# KiCad board Power Supply - Entrex DataScope.kicad_pcb

No outline. copper layers: Top, Bottom. Coordinates in mm from the lowest, leftmost part position.

## Placement (name value [footprint] x y rotation side)
C1  C_Polarized  [CP_Radial_D10.0mm_P5.00mm]  287.15 32.39 180 top
C3  C  [CAP non-polarized P25.00mm]  240.16 39.46 90 top
C4  CAP  [CP_Axial_L20.0mm_D10.0mm_P26.00mm_Horizontal]  245.87 31.72 270 top
C5  C_Polarized  [CP_Radial_D10.0mm_P5.00mm]  14.65 37.47 180 top
C6  CAP  [CP_Axial_L10.0mm_D4.5mm_P15.00mm_Horizontal]  39.5 77.47 270 top
C7  C  [CAP non-polarized P25.00mm]  77.6 37.56 90 top
C8  CAP  [CP_Axial_L10.0mm_D4.5mm_P15.00mm_Horizontal]  46.48 27.94 270 top
C9  C_Polarized  [CP_Radial_D10.0mm_P5.00mm]  148.72 47.63 180 top
C10  C_Polarized  [CP_Radial_D18.0mm_P7.50mm]  176.66 59.36 270 top
C11  C  [CAP non-polarized P25.00mm]  154.43 73.75 90 top
C12  CAP  [CP_Axial_L20.0mm_D10.0mm_P26.00mm_Horizontal]  114.76 74.93 0 top
CR1  1N4001  [D_DO-41_SOD81_P12.70mm_Horizontal]  298.58 62.87 270 top
CR2  1N4001  [D_DO-41_SOD81_P12.70mm_Horizontal]  294.77 50.17 90 top
CR3  1N4001  [D_DO-41_SOD81_P12.70mm_Horizontal]  298.58 34.29 90 top
CR4  1N4001  [D_DO-41_SOD81_P12.70mm_Horizontal]  294.77 46.99 270 top
CR5  1N4001  [D_DO-41_SOD81_P12.70mm_Horizontal]  290.96 22.23 180 top
CR6  1N4001  [D_DO-41_SOD81_P12.70mm_Horizontal]  273.18 9.53 180 top
CR7  1N4001  [D_DO-41_SOD81_P12.70mm_Horizontal]  236.35 23.5 270 top
CR8  1N4001  [D_DO-41_SOD81_P12.70mm_Horizontal]  0 34.93 270 top
CR9  1N4001  [D_DO-41_SOD81_P12.70mm_Horizontal]  3.94 22.23 90 top
CR10  1N4001  [D_DO-41_SOD81_P12.70mm_Horizontal]  0 6.35 90 top
CR11  1N4001  [D_DO-41_SOD81_P12.70mm_Horizontal]  3.94 19.05 270 top
CR12  1N5400  [Entrex PSU Power Diode P20.00mm]  14.73 47.31 90 top
CR13  1N5400  [Entrex PSU Power Diode P20.00mm]  22.35 67.31 270 top
CR14  1N5400  [Entrex PSU Power Diode P20.00mm]  14.73 91.12 270 top
CR15  1N5400  [Entrex PSU Power Diode P20.00mm]  22.35 71.12 90 top
CR16  1N4001  [D_DO-41_SOD81_P12.70mm_Horizontal]  7.11 13.34 90 top
CR17  1N4001  [D_DO-41_SOD81_P12.70mm_Horizontal]  28.7 12.7 270 top
CR18  1N4001  [D_DO-41_SOD81_P12.70mm_Horizontal]  161.42 31.75 90 top
CR19  1N4001  [D_DO-41_SOD81_P12.70mm_Horizontal]  157.61 44.45 270 top
CR20  1N4001  [D_DO-41_SOD81_P12.70mm_Horizontal]  161.42 60.33 270 top
CR21  1N4001  [D_DO-41_SOD81_P12.70mm_Horizontal]  157.61 47.63 90 top
CR22  1N4001  [D_DO-41_SOD81_P12.70mm_Horizontal]  193.17 72.39 270 top
CR23  1N4001  [D_DO-41_SOD81_P12.70mm_Horizontal]  196.98 59.69 90 top
CR24  1N4001  [D_DO-41_SOD81_P12.70mm_Horizontal]  193.17 43.82 90 top
CR25  1N4001  [D_DO-41_SOD81_P12.70mm_Horizontal]  196.98 56.52 270 top
CR26  1N4001  [D_DO-41_SOD81_P12.70mm_Horizontal]  134.11 63.5 0 top
CR27  1N4001  [D_DO-41_SOD81_P12.70mm_Horizontal]  161.42 99.06 270 top
CR28  1N4001  [D_DO-41_SOD81_P12.70mm_Horizontal]  111.89 55.25 0 top
CR29  1N4001  [D_DO-41_SOD81_P12.70mm_Horizontal]  108.08 50.8 90 top
E1  Conn_01x01_Pin  [PinHeader_1x01_P1.00mm_Vertical]  296.04 69.85 0 top
E2  Conn_01x01_Pin  [PinHeader_1x01_P1.00mm_Vertical]  297.31 27.31 0 top
E3  Conn_01x01_Pin  [PinHeader_1x01_P1.00mm_Vertical]  296.67 79.38 0 top
E4  Conn_01x01_Pin  [PinHeader_1x01_P1.00mm_Vertical]  296.67 89.54 0 top
E5  Conn_01x01_Pin  [PinHeader_1x01_P1.00mm_Vertical]  2.67 46.36 0 top
E6  Conn_01x01_Pin  [PinHeader_1x01_P1.00mm_Vertical]  13.46 0.9 0 top
E7  Conn_01x01_Pin  [PinHeader_1x01_P1.00mm_Vertical]  14.73 97.79 0 top
E8  Conn_01x01_Pin  [PinHeader_1x01_P1.00mm_Vertical]  23.62 97.79 0 top
E9  Conn_01x01_Pin  [PinHeader_1x01_P1.00mm_Vertical]  151.26 33.02 0 top
E10  Conn_01x01_Pin  [PinHeader_1x01_P1.00mm_Vertical]  167.77 67.95 0 top
E11  Conn_01x01_Pin  [PinHeader_1x01_P1.00mm_Vertical]  193.8 98.43 0 top
E12  Conn_01x01_Pin  [PinHeader_1x01_P1.00mm_Vertical]  185.55 39.37 0 top
F2  Fuse 4A  [Fuseholder_Littelfuse_445_030_series_5x30mm]  3.94 57.39 90 top
F3  Fuse 1A  [Fuseholder_Littelfuse_445_030_series_5x30mm]  202.69 67.05 90 top
J2  Power Port  [MATE-N-LOK_2x04_P4.96mm_Vertical]  103 27.31 0 top
Q1  MPS3638  [TO-18-3]  281.88 13.34 270 top
Q2  PN3569  [TO-18-3]  228.73 53.34 0 top
Q3  PN3569  [TO-18-3]  229.81 43.63 270 top
Q4  PS3638  [TO-18-3]  250.13 43.36 180 top
Q5  2N4918  [TO-126-3_Vertical]  214.76 59.69 0 top
Q6  2N3055  [TO-3]  248.41 79.38 180 top
Q7  PN3569  [TO-18-3]  266.38 35.56 0 top
Q8  PS3638  [TO-18-3]  19.81 12.7 270 top
Q9  PN3569  [TO-18-3]  61.09 17.78 90 top
Q10  PN3569  [TO-18-3]  71.88 18.42 0 top
Q11  PS3638  [TO-18-3]  59 34.47 180 top
Q12  2N4918  [TO-126-3_Vertical]  92.84 57.15 0 top
Q13  2N3055  [TO-3]  72.13 89.27 0 top
Q14  PN3569  [TO-18-3]  38.86 33.02 180 top
Q15  PS3638  [TO-18-3]  152.53 66.04 0 top
Q16  PN3569  [TO-18-3]  182.37 92.08 90 top
Q17  PN3569  [TO-18-3]  174.75 78.11 270 top
Q18  PS3638  [TO-18-3]  142.55 95.43 90 top
Q19  JE520  [TO-126-3_Vertical]  122.05 100.33 0 top
Q20  PN3569  [TO-18-3]  123.95 90.81 270 top
R1  R  [R_Axial_DIN0309_L9.0mm_D3.2mm_P12.70mm_Horizontal]  282.07 19.05 0 top
R2  R  [R_Axial_DIN0411_L9.9mm_D3.6mm_P12.70mm_Horizontal]  274.45 24.77 90 top
R3  R  [R_Axial_DIN0411_L9.9mm_D3.6mm_P12.70mm_Horizontal]  275.72 6.99 90 top
R4  R  [R_Axial_DIN0309_L9.0mm_D3.2mm_P12.70mm_Horizontal]  260.48 4.45 0 top
R5  R  [R_Axial_DIN0309_L9.0mm_D3.2mm_P12.70mm_Horizontal]  268.1 15.24 90 top
R6  R  [R_Axial_DIN0309_L9.0mm_D3.2mm_P12.70mm_Horizontal]  245.87 51.44 90 top
R7  R  [R_Axial_DIN0411_L9.9mm_D3.6mm_P12.70mm_Horizontal]  209.68 49.53 0 top
R8  R  [R_Axial_DIN0411_L9.9mm_D3.6mm_P12.70mm_Horizontal]  209.68 45.72 0 top
R9  R  [R_Axial_DIN0309_L9.0mm_D3.2mm_P12.70mm_Horizontal]  249.68 51.44 90 top
R10  R  [R_Axial_DIN0411_L9.9mm_D3.6mm_P12.70mm_Horizontal]  240.16 19.69 90 top
R11  R  [R_Axial_DIN0411_L9.9mm_D3.6mm_P15.24mm_Horizontal]  255.4 48.9 90 top
R12  R  [R_Axial_DIN0309_L9.0mm_D3.2mm_P12.70mm_Horizontal]  260.48 14.61 90 top
R13  R  [R_Axial_DIN0411_L9.9mm_D3.6mm_P12.70mm_Horizontal]  209.68 41.91 0 top
R14  R  [R_Axial_DIN0309_L9.0mm_D3.2mm_P12.70mm_Horizontal]  260.48 50.8 90 top
R15  R  [R_Axial_DIN0614_L14.3mm_D5.7mm_P20.32mm_Horizontal]  264.92 43.82 90 top
R16  R  [R_Axial_DIN0614_L14.3mm_D5.7mm_P15.24mm_Horizontal]  232.54 10.8 90 top
R17  R  [R_Axial_DIN0309_L9.0mm_D3.2mm_P12.70mm_Horizontal]  228.73 13.34 90 top
R18  R  [R_Axial_DIN0614_L14.3mm_D5.7mm_P15.24mm_Horizontal]  256.67 14.61 90 top
R19  R  [R_Axial_DIN0309_L9.0mm_D3.2mm_P12.70mm_Horizontal]  14.73 14.61 90 top
R20  R  [R_Axial_DIN0614_L14.3mm_D5.7mm_P15.24mm_Horizontal]  10.92 8.25 90 top
R21  R  [R_Axial_DIN0309_L9.0mm_D3.2mm_P12.70mm_Horizontal]  24.89 8.25 90 top
R22  R  [R_Axial_DIN0207_L6.3mm_D2.5mm_P15.24mm_Horizontal]  30.61 19.05 90 top
R23  R  [R_Axial_DIN0309_L9.0mm_D3.2mm_P12.70mm_Horizontal]  32.51 0 90 top
R24  R  [R_Axial_DIN0411_L9.9mm_D3.6mm_P12.70mm_Horizontal]  70.61 49.53 90 top
R25  R  [R_Axial_DIN0411_L9.9mm_D3.6mm_P12.70mm_Horizontal]  64.26 0 90 top
R26  R  [R_Axial_DIN0309_L9.0mm_D3.2mm_P12.70mm_Horizontal]  69.34 0 90 top
R27  R  [R_Axial_DIN0309_L9.0mm_D3.2mm_P12.70mm_Horizontal]  86.49 50.17 90 top
R28  R  [R_Axial_DIN0411_L9.9mm_D3.6mm_P12.70mm_Horizontal]  54.1 10.8 90 top
R29  R  [R_Axial_DIN0414_L11.9mm_D4.5mm_P15.24mm_Horizontal]  65.53 47.63 90 top
R30  R  [R_Axial_DIN0309_L9.0mm_D3.2mm_P12.70mm_Horizontal]  36.32 13.34 90 top
R31  R  [R_Axial_DIN0411_L9.9mm_D3.6mm_P12.70mm_Horizontal]  79.5 12.7 0 top
R32  R  [R_Axial_DIN0309_L9.0mm_D3.2mm_P12.70mm_Horizontal]  60.45 50.17 90 top
R33  R  [R_Axial_DIN0617_L17.0mm_D6.0mm_P20.32mm_Horizontal]  54.74 42.55 90 top
R34  R  [R_Axial_DIN0614_L14.3mm_D5.7mm_P15.24mm_Horizontal]  40.13 10.8 90 top
R35  R  [R_Axial_DIN0309_L9.0mm_D3.2mm_P12.70mm_Horizontal]  133.48 67.31 0 top
R36  R  [Resistor P17.70mm]  134.64 59.06 0 top
R37  R  [R_Axial_DIN0309_L9.0mm_D3.2mm_P12.70mm_Horizontal]  161.42 67.31 90 top
R38  R  [R_Axial_DIN0614_L14.3mm_D5.7mm_P15.24mm_Horizontal]  166.5 76.2 90 top
R39  R  [R_Axial_DIN0411_L9.9mm_D3.6mm_P12.70mm_Horizontal]  174.75 87 90 top
R40  R  [R_Axial_DIN0411_L9.9mm_D3.6mm_P12.70mm_Horizontal]  148.72 87 90 top
R41  R  [R_Axial_DIN0309_L9.0mm_D3.2mm_P12.70mm_Horizontal]  181.1 80.95 0 top
R42  R  [R_Axial_DIN0309_L9.0mm_D3.2mm_P12.70mm_Horizontal]  181.1 76.84 0 top
R43  R  [R_Axial_DIN0414_L11.9mm_D4.5mm_P15.24mm_Horizontal]  134.75 83.82 90 top
R44  R  [R_Axial_DIN0309_L9.0mm_D3.2mm_P12.70mm_Horizontal]  132.21 81.92 0 top
R45  R  [R_Axial_DIN0309_L9.0mm_D3.2mm_P12.70mm_Horizontal]  190.63 53.98 90 top
R46  R  [R_Axial_DIN0309_L9.0mm_D3.2mm_P12.70mm_Horizontal]  119.51 96.52 0 top
R47  R  [R_Axial_DIN0614_L14.3mm_D5.7mm_P15.24mm_Horizontal]  114.43 83.19 90 top
R48  R  [R_Axial_DIN0614_L14.3mm_D5.7mm_P15.24mm_Horizontal]  111.89 60.33 0 top
R49  R  [R_Axial_DIN0309_L9.0mm_D3.2mm_P12.70mm_Horizontal]  116.97 64.14 0 top
R50  R  [R_Axial_DIN0207_L6.3mm_D2.5mm_P15.24mm_Horizontal]  114.43 67.31 0 top
R51  R  [R_Axial_DIN0411_L9.9mm_D3.6mm_P12.70mm_Horizontal]  230 6.35 0 top
SCR1  MCR3000-1  [TO-126-3_Vertical]  217.3 28.58 0 top
SCR2  ID200  [TO-18-3]  132.84 53.34 270 top

## Library data of the parts
C1 C5 C9 C10 = -: Description: Polarized capacitor
C3 C7 C11 = -: Description: Unpolarized capacitor
C4 C6 C8 C12 = -: Description: Capacitor Large Polarized for Entrex Trapezoid
CR1-CR29 = -: Description: 50V 1A General Purpose Rectifier Diode, DO-41; Sim.Device: D; Sim.Pins: 1=K 2=A
E1-E12 = -: Description: Generic connector, single row, 01x01, script generated
F2 F3 = -: Description: Fuse
J2 = -: Description: Generic connector, double row, 02x04, odd/even pin numbering scheme (row 1 odd numbers, row 2 even numbers), script generated (kicad-library-utils/schlib/autogen/connector/)
Q1 Q4 Q8 Q11 Q15 Q18 = -: Description: PNP Transistor
Q2 Q3 Q7 Q9 Q10 Q14 Q16 Q17 Q20 = -: Description: NPN Transistor
Q5 Q12 = -: Description: MEDIUM-POWER PLASTIC PNP SILICON TRANSISTORS
Q6 Q13 = -: Description: 15A Ic, 60V Vce, Power NPN Transistor, TO-3
Q19 = -: Description: Bipolar transistor symbol for simulation only, substrate tied to the emitter; Sim.Device: NPN; Sim.Pins: 1=C 2=B 3=E; Sim.Type: GUMMELPOON
R1-R51 = -: Description: Resistor
SCR1 SCR2 = -: Description: Silicon controlled rectifier, anode/gate/cathode

## Footprints (pads in the part's own frame, mm; a bottom-side part is the same pattern mirrored in y, then rotated)
CAP non-polarized P25.00mm
  rect 2.4x2.4 hole 1.2: 1(0,0)
  oval 2.4x2.4 hole 1.2: 2(25,0)
CP_Axial_L10.0mm_D4.5mm_P15.00mm_Horizontal
  rect 2x2 hole 1: 1(0,0)
  oval 2x2 hole 1: 2(15,0)
CP_Axial_L20.0mm_D10.0mm_P26.00mm_Horizontal
  rect 2.4x2.4 hole 1.2: 1(0,0)
  oval 2.4x2.4 hole 1.2: 2(26,0)
CP_Radial_D10.0mm_P5.00mm
  rect 2x2 hole 1: 1(0,0)
  round 2 hole 1: 2(5,0)
CP_Radial_D18.0mm_P7.50mm
  rect 2.4x2.4 hole 1.2: 1(0,0)
  round 2.4 hole 1.2: 2(7.5,0)
D_DO-41_SOD81_P12.70mm_Horizontal
  rect 2.2x2.2 hole 1.1: 1(0,0)
  oval 2.2x2.2 hole 1.1: 2(12.7,0)
Entrex PSU Power Diode P20.00mm
  rect 3.2x3.2 hole 1.6: 1(0,0)
  oval 3.2x3.2 hole 1.6: 2(20,0)
Fuseholder_Littelfuse_445_030_series_5x30mm
  round 2.3 hole 1.3: 1(0,0) 1(5.2,0) 2(25.8,0) 2(31,0)
MATE-N-LOK_2x04_P4.96mm_Vertical
  rrect 3.7x3.7 hole 1.8: 1(0.015,0)
  round 3.7 hole 1.8: 2(9.525,0) 3(0,5.08) 4(9.525,5.08) 5(0,10.16) 6(9.525,10.16) 7(0.015,15.24) 8(9.525,15.24)
PinHeader_1x01_P1.00mm_Vertical
  rect 0.85x0.85 hole 0.5: 1(0,0)
R_Axial_DIN0207_L6.3mm_D2.5mm_P15.24mm_Horizontal
  round 1.6 hole 0.8: 1(0,0)
  oval 1.6x1.6 hole 0.8: 2(15.24,0)
R_Axial_DIN0309_L9.0mm_D3.2mm_P12.70mm_Horizontal
  round 1.6 hole 0.8: 1(0,0)
  oval 1.6x1.6 hole 0.8: 2(12.7,0)
R_Axial_DIN0411_L9.9mm_D3.6mm_P12.70mm_Horizontal
  round 2.4 hole 1.2: 1(0,0)
  oval 2.4x2.4 hole 1.2: 2(12.7,0)
R_Axial_DIN0411_L9.9mm_D3.6mm_P15.24mm_Horizontal
  round 2.4 hole 1.2: 1(0,0)
  oval 2.4x2.4 hole 1.2: 2(15.24,0)
R_Axial_DIN0414_L11.9mm_D4.5mm_P15.24mm_Horizontal
  round 2.4 hole 1.2: 1(0,0)
  oval 2.4x2.4 hole 1.2: 2(15.24,0)
R_Axial_DIN0614_L14.3mm_D5.7mm_P15.24mm_Horizontal
  round 2.8 hole 1.4: 1(0,0)
  oval 2.8x2.8 hole 1.4: 2(15.24,0)
R_Axial_DIN0614_L14.3mm_D5.7mm_P20.32mm_Horizontal
  round 2.8 hole 1.4: 1(0,0)
  oval 2.8x2.8 hole 1.4: 2(20.32,0)
R_Axial_DIN0617_L17.0mm_D6.0mm_P20.32mm_Horizontal
  round 2.4 hole 1.2: 1(0,0)
  oval 2.4x2.4 hole 1.2: 2(20.32,0)
Resistor P17.70mm
  round 1.6 hole 0.8: 1(0,0)
  oval 1.6x1.6 hole 0.8: 2(17.78,0)
TO-3
  rect 2.6x2.6 hole 1.3: 1(0,0)
  round 2.6 hole 1.3: 2(0,-10.92)
  round 6.35 hole 4: 3(-13.3,-5.45) 3(16.9,-5.45)
TO-18-3
  oval 1.6x1.2 hole 0.7: 1(0,0)
  oval 1.2x1.2 hole 0.7: 2(1.27,-1.27) 3(2.54,0)
TO-126-3_Vertical
  rect 1.8x1.8 hole 1: 1(0,0)
  oval 1.8x1.8 hole 1: 2(2.54,0) 3(5.08,0)

## Nets
5vGND: C1.2 C4.2 CR1.2 CR3.2 CR6.2 E3.1 J2.4 R2.2 R4.1 R7.1 R8.1 R10.1 R12.1 R17.1 R18.1 R51.2 SCR1.1
/+5v: C4.1 CR7.1 J2.2 Q7.1 R13.1 R15.1 R18.2 SCR1.2
/+12v: C8.1 J2.5 J2.7 Q14.1 R31.2 R33.1 R34.2
/+12vGND: C5.2 C6.2 C8.2 CR8.2 CR10.2 CR12.2 CR14.2 CR17.2 J2.1 J2.3 R20.1 R23.1 R25.1 R26.1 R28.1 R30.1 R34.1
/-12v: C9.2 C10.2 C12.2 CR18.2 CR20.2 CR22.2 CR24.2 CR27.1 J2.6 R36.1 R39.2 R41.2 R42.2 R44.2 R49.2 R50.2 SCR2.1
/-12vGND: CR28.1 CR29.1 J2.8 R45.1 SCR2.3
/C1+: C1.1 CR2.1 CR4.1 CR5.1 R1.2
/CR6P1: CR6.1 R3.2 R5.2
/L3: Q9.2 R22.1 R23.2
/L4: Q16.2 R38.2 R39.1
/L5: Q2.2 R4.2 R5.1
/Q1P1: Q1.1 Q7.3 R1.1
/Q1P2: CR5.2 Q1.2 R2.1
/Q1P3: Q1.3 R3.1
/Q2P1: Q2.1 Q3.1 R7.2
/Q2P3: C3.1 Q2.3 Q4.2 R6.1
/Q3P2: Q3.2 R8.2 R13.2
/Q4P1: Q4.1 Q5.3 R9.1
/Q6P1: Q5.2 Q6.1 R11.2 R14.1
/Q6P2: Q6.2 R14.2 R15.2
/Q7P2: Q7.2 R11.1 R12.2
/Q13P3: C6.1 C7.2 CR13.1 CR15.1 Q10.3 Q12.1 Q13.3 R24.2 R27.2
/R22: CR17.1 R21.2 R22.2
C5: C5.1 CR9.1 CR11.1 CR16.2 R19.2
C9P1: C9.1 CR19.1 CR21.1 CR26.1 R35.1
E1: CR1.1 CR2.2 E1.1
E2: CR3.1 CR4.2 E2.1
E4: C3.2 E4.1 Q3.3 Q5.1 Q6.3 R6.2 R9.2
E5: CR8.1 CR9.2 E5.1
E6: CR10.1 CR11.2 E6.1
E7: E7.1 F2.2
E8: CR14.1 CR15.2 E8.1
E9: CR18.1 CR19.2 E9.1
E10: CR20.1 CR21.2 E10.1
E11: E11.1 F3.2
E11f2: CR22.1 CR23.2 F3.1
E12: CR24.1 CR25.2 E12.1
F2P1: CR12.1 CR13.2 F2.1
Q4P3: Q4.3 R10.2
Q8P2: CR16.1 Q8.2 R20.2
Q8P3: Q8.3 R21.1
Q9P3: C7.1 Q9.3 Q11.2 R24.1
Q10P1: Q9.1 Q10.1 R25.2
Q10P2: Q10.2 R26.2 R31.1
Q11P1: Q11.1 Q12.3 R27.1
Q11P3: Q11.3 R28.2
Q12P2: Q12.2 Q13.1 R29.2 R32.2
Q13P2: Q13.2 R32.1 R33.2
Q14P2: Q14.2 R29.1 R30.2
Q14P3: Q8.1 Q14.3 R19.1
Q15P1: Q15.1 Q20.3 R35.2
Q15P2: CR26.2 Q15.2 R36.2
Q15P3: Q15.3 R37.1
Q16P1: Q16.1 Q17.1 R41.1
Q16P3: C11.2 Q16.3 Q18.2 R40.2
Q17P2: Q17.2 R42.1 R45.2
Q19p1: Q19.1 R46.1 R47.2
Q19p2: C10.1 C11.1 CR23.1 CR25.1 Q17.3 Q18.1 Q19.2 R40.1
Q19P3: Q18.3 Q19.3 R43.2 R46.2
Q20P1: C12.1 CR29.2 Q20.1 R47.1 R50.1
Q20P2: Q20.2 R43.1 R44.1
R38: CR27.2 R37.2 R38.1
R48: CR28.2 R48.1
R51: CR7.2 R16.1 R51.1
SCR1P3: R16.2 R17.2 SCR1.3
SCR2P2: R48.2 R49.1 SCR2.2

## Via types
v1: diameter 0.8, hole 0.4, Top to Bottom, 11 vias

## Routing (per net, layer and track width the routed paths; a pad name or vN(x,y) marks a point on that pad's centre or on a via; arc(x,y) is an arc through that point)
5vGND: length 634.7
  Bottom w0.25: R8.1 212.22,44.45 213.49,41.91 214.12,39.37 220.47,34.93 226.82,34.93 236.35,27.31 238.89,26.04 247.78,24.77 257.3,20.32 263.65,17.15 264.29,13.34 CR6.2 R4.1 ; R8.1 R7.1 ; R8.1 208.41,45.72 207.77,45.09 202.06,38.1 169.04,17.15 144.27,17.15 128.4,33.02 113.16,33.02 J2.4 108.71,31.12 108.71,17.78 109.35,17.15 118.24,12.06 136.65,1.91 188.72,1.91 ; 188.72,1.91 189.36,1.27 250.32,1.27 ; 188.72,1.91 214.76,27.94 ; E3.1 292.86,79.38 279.53,66.04 279.53,55.88 ; 256.67,1.27 282.7,1.27 285.24,3.18 289.05,14.61 285.24,23.5 C1.2 277.07,37.47 R2.2 274.45,38.1 279.53,43.18 279.53,55.88 ; 256.67,1.27 250.32,1.27 ; 256.67,1.27 256.03,1.27 254.13,3.18 254.13,12.06 R18.1 R12.1 ; SCR1.1 215.39,28.58 214.76,27.94 ; 214.76,27.94 214.76,21.59 221.11,15.24 226.82,15.24 R17.1 233.81,15.88 R10.1 241.43,16.51 R51.2 245.24,6.35 C4.2 250.32,1.27 ; CR3.2 CR1.2 297.31,52.71 294.77,56.52 280.16,56.52 279.53,55.88
/+5v: length 364.1
  Top w0.25: v1(253.49,33.02) 252.22,31.75 v1(252.22,15.88)
  Bottom w0.25: v1(253.49,33.02) R18.2 262.38,35.56 263.02,35.56 ; v1(253.49,33.02) 256.03,35.56 263.02,35.56 ; v1(253.49,33.02) 252.19,31.72 C4.1 252.22,36.2 R15.1 264.92,37.01 Q7.1 263.02,35.56 ; R13.1 209.04,40.64 207.77,39.37 204.6,34.93 172.21,13.34 141.73,13.34 125.86,29.21 114.43,29.21 J2.2 113.16,26.67 115.06,22.23 120.14,19.05 139.83,8.25 174.12,8.89 210.95,34.93 215.39,34.93 219.84,30.48 SCR1.2 220.47,25.4 224.28,22.23 228.09,21.59 CR7.1 244.6,22.23 250.32,17.15 v1(252.22,15.88)
/+12v: length 144.9
  Top w0.25: v1(51.56,28.58) v1(87.12,28.58)
  Bottom w0.25: 46.48,32.39 51.56,37.47 ; 46.48,32.39 C8.1 ; 46.48,32.39 42.04,32.39 Q14.1 38.86,31.12 42.04,27.94 ; 51.56,37.47 54.74,40.64 R33.1 ; 51.56,37.47 v1(51.56,28.58) 48.39,28.58 47.75,27.94 C8.1 ; C8.1 42.04,27.94 ; R31.2 92.84,19.69 93.47,30.48 96.65,33.02 J2.5 103.01,37.48 J2.7 90.3,31.75 v1(87.12,28.58) ; 42.04,27.94 R34.2
/+12vGND: length 418.5
  Bottom w0.25: R34.1 44.34,10.8 C8.2 ; R34.1 33.78,4.45 ; R34.1 37.59,13.34 R30.1 46.09,13.34 C8.2 ; 33.66,56.64 33.66,44.97 31.24,42.55 29.97,42.55 29.34,41.91 28.7,41.91 ; 33.66,56.64 39.5,62.47 39.5,42.55 38.86,41.91 28.7,41.91 ; 33.66,56.64 33.54,56.52 19.18,56.52 14.73,60.96 CR12.2 CR14.2 ; 33.78,4.45 47.12,4.45 ; 33.78,4.45 20.45,4.45 R20.1 5.84,9.53 1.4,13.97 0,19.05 CR8.2 0.76,26.67 7.11,30.48 7.75,31.12 C5.2 14.1,41.91 28.7,41.91 ; 60.45,4.45 88.39,4.45 89.66,5.08 97.28,11.43 97.28,27.94 100.46,30.48 J2.3 103,27.32 J2.1 101.73,8.89 90.93,0 R26.1 R25.1 R23.1 CR17.2 ; 60.45,4.45 47.12,4.45 ; 60.45,4.45 R28.1 52.2,11.43 C8.2 ; 47.12,4.45 46.48,5.08 C8.2
/-12v: length 445.3
  Bottom w0.25: R42.2 R41.2 193.8,83.19 ; 194.44,86.36 184.91,99.7 R39.2 174.12,99.06 CR27.1 ; 194.44,86.36 195.71,85.09 ; 194.44,86.36 193.8,83.19 ; 132.84,57.26 134.08,57.26 138,53.34 ; 132.84,57.26 R36.1 131.57,59.69 R49.2 R50.2 130.3,73.66 C12.2 143.64,79.08 144.91,81.92 ; 132.84,57.26 SCR2.1 138,53.34 ; 193.8,83.19 195.71,85.09 ; 195.71,85.09 199.52,83.82 210.31,74.93 210.31,57.79 209.68,55.88 198.88,40.64 167.72,19.69 146.81,19.69 130.3,36.2 113.79,36.2 J2.6 114.43,39.37 132.21,39.37 146.81,23.5 165.23,23.5 172.21,35.56 175.39,40.01 188.72,47.63 195.07,52.07 194.44,53.98 CR24.2 CR22.2 190.63,59.06 C10.2 173.48,49.53 CR20.2 CR18.2 161.42,42.55 160.15,41.28 147.45,41.28 145.54,44.45 C9.2 138,53.34
/-12vGND: length 163.6
  Bottom w0.25: 111.89,54.61 CR28.1 111.89,48.26 ; 111.89,54.61 116.97,49.53 125.22,49.53 ; 111.89,54.61 CR29.1 108.08,46.99 J2.8 ; J2.8 111.89,43.18 111.89,48.26 ; J2.8 133.48,42.55 148.72,27.31 162.69,27.31 172.21,42.55 184.91,49.53 189.99,52.71 R45.1 ; 111.89,48.26 113.16,49.53 132.84,49.53 SCR2.3
/C1+: length 35.7
  Bottom w0.25: CR2.1 CR4.1 289.69,38.1 C1.1 289.05,26.67 CR5.1 291.59,22.23 294.77,19.05
/CR6P1: length 22.2
  Bottom w0.25: R5.2 270.64,22.86 R3.2 274.45,16.51 CR6.1
/L3: length 59.4
  Top w0.25: v1(29.97,30.48) 29.97,29.85 v1(26.16,26.04)
  Bottom w0.25: 62.36,19.05 57.28,19.05 39.5,22.23 33.78,22.86 31.88,27.31 v1(29.97,30.48) ; R23.2 32.51,17.15 R22.1 30.61,21.59 v1(26.16,26.04)
/L4: length 39.8
  Top w0.25: v1(171.58,92.08) 171.58,88.9 v1(170.31,87.63)
  Bottom w0.25: Q16.2 180.47,93.34 178.56,91.44 178.56,85.73 176.02,83.19 174.12,83.19 171.58,85.73 171.58,86.36 v1(170.31,87.63) ; R39.1 174.75,88.9 v1(171.58,92.08) 167.13,92.08 R38.2
/L5: length 75.7
  Top w0.25: v1(268.1,19.05) v1(263.65,23.5) 263.97,23.18
  Bottom w0.25: v1(268.1,19.05) 268.1,8.25 271.91,4.45 R4.2 ; v1(263.65,23.5) 259.84,24.13 249.68,27.31 245.87,28.58 239.52,28.58 236.35,31.75 236.35,41.28 231.9,47.63 Q2.2
/Q1P1: length 28.4
  Bottom w0.25: Q7.3 270.64,35.56 280.8,25.4 R1.1 281.88,18.87 Q1.1
/Q1P2: length 16.2
  Bottom w0.25: Q1.2 279.53,12.06 278.89,12.7 278.89,19.05 CR5.2 R2.1
/Q1P3: length 8
  Bottom w0.25: Q1.3 281.43,8.89 R3.1
/Q2P1: length 17.7
  Bottom w0.25: Q2.1 226.19,53.34 R7.2 229.36,45.09 Q3.1
/Q2P3: length 36.6
  Bottom w0.25: R6.1 240.16,45.72 C3.1 ; R6.1 247.78,48.26 Q4.2 ; R6.1 240.79,51.44 Q2.3
/Q3P2: length 17.2
  Bottom w0.25: R8.2 226.19,43.18 Q3.2 228.09,41.91 R13.2 R8.2
/Q4P1: length 42.9
  Bottom w0.25: Q4.1 250.5,43.36 252.22,45.09 251.59,47.63 R9.1 245.24,57.15 223.01,57.79 Q5.3
/Q6P1: length 73.4
  Bottom w0.25: 217.3,59.69 217.3,60.33 221.11,62.87 229.36,60.96 250.32,60.33 253.49,60.33 R11.2 ; Q6.1 250.95,72.39 254.76,66.04 254.76,64.77 R11.2 ; R11.2 257.94,57.15 R14.1
/Q6P2: length 34.4
  Bottom w0.25: Q6.2 252.86,84.46 260.48,64.77 R14.2 264.29,63.5 R15.2
/Q7P2: length 37.4
  Bottom w0.25: R12.2 264.29,30.48 267.46,33.02 Q7.2 267.65,38.28 270,41.28 270.64,42.55 266.83,47.63 259.21,48.26 256.28,48.9 R11.1
/Q13P3: length 242.6
  Bottom w0.25: Q13.3 89.03,92.71 83.31,98.43 66.8,98.43 58.83,90.45 Q13.3 43.94,83.82 39.5,79.38 C6.1 28.7,77.47 CR15.1 CR13.1 ; Q13.3 104.27,55.25 97.92,46.99 89.66,46.99 84.58,33.02 80.43,27.94 76.33,20.32 Q10.3 ; Q13.3 89.03,78.11 ; 89.03,78.11 89.03,68.58 86.49,66.04 R27.2 86.18,62.56 C7.2 77.27,62.23 R24.2 ; 89.03,78.11 89.03,72.39 92.84,68.58 Q12.1
/R22: length 30.7
  Top w0.25: R22.2 v1(26.16,34.29)
  Bottom w0.25: CR17.1 28.7,14.61 26.8,19.69 R21.2 24.89,22.08 21.72,24.77 21.72,29.85 v1(26.16,34.29)
C5: length 38.9
  Bottom w0.25: 9.65,27.31 R19.2 14.65,27.39 C5.1 14.65,32.31 9.65,27.31 ; 9.65,27.31 8.38,27.31 CR16.2 3.94,22.86 CR9.1 CR11.1
C9P1: length 48.3
  Bottom w0.25: C9.1 146.18,51.44 137.29,63.5 CR26.1 133.48,64.14 R35.1 ; C9.1 CR21.1 CR19.1 152.53,46.36 C9.1
E1: length 19.7
  Bottom w0.25: 296.67,69.85 E1.1 296.04,69.22 294.77,67.95 CR2.2 CR1.1 298.58,67.95 296.67,69.85
E2: length 15.5
  Bottom w0.25: CR4.2 294.77,29.85 E2.1 298.58,28.58 CR3.1
E4: length 191.8
  Top w0.25: 240.48,64.14 C3.2
  Bottom w0.25: E4.1 266.42,89.54 Q6.3 261.71,94.58 261.75,94.62 256.03,100.33 236.98,100.33 231.51,94.86 Q6.3 ; Q6.3 231.51,75.96 240.16,67.31 C3.2 240.48,64.14 R6.2 R9.2 ; Q6.3 214.76,68.07 Q5.1 216.03,53.34 217.3,49.53 217.3,41.91 221.74,37.47 229.36,39.37 Q3.3
E5: length 32.4
  Bottom w0.25: CR8.1 0,36.22 0.13,36.35 ; 0.13,36.35 2.67,38.89 E5.1 3.94,45.09 CR9.2 3.94,37.47 2.67,38.74 2.51,38.74 0.13,36.35
E6: length 15.7
  Bottom w0.25: E6.1 11.56,0.9 6.1,6.35 CR11.2 CR10.1
E7: length 19.9
  Bottom w0.25: E7.1 13.34,97.79 F2.2 F2.2
E8: length 26.5
  Bottom w0.25: 16.95,91.12 E8.1 22.35,96.52 CR15.2 CR14.1 16.95,91.12
E9: length 10.7
  Bottom w0.25: CR18.1 157.61,31.75 156.34,33.02 E9.1
E10: length 14.1
  Bottom w0.25: CR21.2 CR20.1 167.77,66.68 E10.1
E11: length 14.8
  Top w0.25: 202.32,98.43 F3.2
  Bottom w0.25: F3.2 F3.2 202.32,98.43 E11.1
E11f2: length 22.7
  Bottom w0.25: CR22.1 202.55,72.39 F3.1 F3.1 197.35,72.39 CR23.2
E12: length 12.6
  Bottom w0.25: CR25.2 CR24.1 189.99,41.91 E12.1
F2P1: length 27.8
  Bottom w0.25: CR13.2 CR12.1 14.01,47.31 F2.1 F2.1
Q4P3: length 13.4
  Bottom w0.25: Q4.3 245.24,38.1 R10.2
Q8P2: length 22.5
  Bottom w0.25: R20.2 9.02,19.69 CR16.1 9.65,12.7 Q8.2
Q8P3: length 5.9
  Bottom w0.25: Q8.3 21.72,8.25 R21.1
Q9P3: length 51.4
  Bottom w0.25: 57.87,35.6 Q11.2 ; Q11.2 57.73,31.93 57.91,31.75 ; Q11.2 60.45,38.47 63.63,40.01 70.61,45.09 R24.1 75.06,42.55 C7.1 ; Q9.3 60.45,20.96 60.45,29.21 57.87,31.79
Q10P1: length 16.4
  Bottom w0.25: Q10.1 69.98,18.42 R25.2 61.09,15.88 Q9.1
Q10P2: length 24.4
  Bottom w0.25: 77.6,12.7 Q10.2 69.34,13.34 R26.2 R31.1 77.6,12.7
Q11P1: length 56.1
  Bottom w0.25: 97.92,57.15 98.55,56.52 98.55,52.71 96.01,50.17 R27.1 86.49,48.9 83.31,41.91 80.32,34.47 Q11.1
Q11P3: length 12
  Bottom w0.25: Q11.3 54.1,32.12 R28.2
Q12P2: length 77.8
  Bottom w0.25: Q13.1 72.13,86.75 80.14,78.74 80.14,77.47 R29.2 ; Q12.2 95.38,55.25 94.11,53.98 91.57,53.98 87.76,57.79 69.34,57.79 65.53,61.6 R29.2 ; 65.79,61.34 65.53,61.34 ; R32.2 R29.2
Q13P2: length 40.1
  Bottom w0.25: Q13.2 68.07,78.35 54.74,65.02 R33.2 54.74,55.88 R32.1
Q14P2: length 41.6
  Bottom w0.25: R30.2 36.96,27.94 37.59,29.21 Q14.2 38.86,35.56 45.21,37.47 52.2,46.36 R29.1
Q14P3: length 46.4
  Bottom w0.25: Q8.1 19.81,13.97 17.91,15.88 17.91,16.51 ; R19.1 16,14.61 17.91,16.51 ; Q14.3 28.7,38.1 24.26,38.1 17.91,31.75 17.91,16.51
Q15P1: length 57.1
  Bottom w0.25: Q20.3 125.22,85.09 130.3,78.11 134.75,78.11 141.73,85.09 146.18,85.09 149.35,81.92 R35.2 148.72,67.31 149.35,66.68 151.89,66.68 Q15.1
Q15P2: length 17.4
  Bottom w0.25: 148.63,62.14 149.35,61.6 R36.2 152.53,60.96 152.95,62.23 ; 148.63,62.14 152.86,62.14 152.95,62.23 ; 148.63,62.14 CR26.2 ; 152.95,62.23 153.8,64.77
Q15P3: length 6.5
  Bottom w0.25: Q15.3 156.34,66.68 R37.1
Q16P1: length 19.5
  Bottom w0.25: Q17.1 174.75,79.38 176.66,80.01 R41.1 181.74,81.59 181.74,81.92 182.37,82.55 Q16.1
Q16P3: length 41.9
  Bottom w0.25: Q16.3 181.1,95.89 157.3,95.89 C11.2 153.49,99.7 R40.2 145.73,96.7 Q18.2
Q17P2: length 21.7
  Bottom w0.25: R45.2 190.63,67.31 R42.1 Q17.2
Q19p1: length 13.3
  Bottom w0.25: R46.1 119.51,97.79 Q19.1 120.14,98.43 R47.2
Q19p2: length 116.2
  Bottom w0.25: 175.27,71.12 176.02,64.77 C10.1 176.99,59.69 184.28,60.96 187.45,62.87 195.07,62.87 196.98,60.96 CR23.1 CR25.1 ; 175.27,71.12 172.85,73.55 172.85,73.75 ; 175.27,71.12 Q17.3 172.94,73.75 172.85,73.75 ; 172.85,73.75 C11.1 153.16,83.19 R40.1 142.37,93.34 141.1,93.34 ; Q18.1 142.55,94.8 141.1,93.34 ; 141.1,93.34 129.67,93.34 124.59,98.43 124.59,100.33
Q19P3: length 20
  Bottom w0.25: R43.2 141.47,99.06 Q18.3 ; R43.2 R46.2 ; R43.2 133.48,100.33 Q19.3
Q20P1: length 39.5
  Bottom w0.25: CR29.2 109.98,64.77 R50.1 114.43,74.6 C12.1 114.43,75.27 R47.1 114.43,85.62 118.87,90.81 120.14,92.71 122.68,92.08 Q20.1
Q20P2: length 18.5
  Bottom w0.25: Q20.2 130.94,89.54 R43.1 134.11,83.82 R44.1
R38: length 13
  Bottom w0.25: R38.1 162.69,80.01 R37.2 161.42,86.36
R48: length 13.7
  Bottom w0.25: R48.1 124.59,55.25
R51: length 8.9
  Bottom w0.25: R51.1 231.27,8.25 R16.1 CR7.2
SCR1P3: length 10.8
  Bottom w0.25: SCR1.3 224.28,28.58 R17.2 R16.2
SCR2P2: length 20.2
  Bottom w0.25: R49.1 R48.2 129.03,56.52 SCR2.2

## Copper pours and planes (outline as drawn; the poured copper is in the pictures)
E4 on Bottom: 249.17,66.68 249.94,66.68 251.46,64.64 251.46,63.37 250.44,62.61
E4 on Bottom: 278.13,102.49 279.15,103.25 280.92,103.25 281.69,103 281.94,102.74 282.7,102.24 282.96,101.73 296.67,93.34 297.43,93.34 298.96,92.33 299.47,91.57 299.47,89.79 299.21,88.52 297.43,87.25 291.85,86.49 264.41,82.68 260.35,80.65 256.79,83.19 256.29,86.23 253.24,93.34 250.7,95.89 247.65,95.89 241.05,92.33 240.79,78.87 250.7,64.64 250.95,64.39 251.21,63.88 251.21,63.63 250.95,63.12 250.44,62.61 239.52,62.36 238.51,62.87 228.6,65.91 218.44,66.17 215.39,64.14 215.65,58.55 218.19,51.44 217.93,42.29 221.74,38.99 228.85,40.51 229.11,41.28 229.36,41.53 229.87,41.78 230.12,41.78 230.38,41.53 230.63,41.02 230.89,40.26 230.89,38.99 230.63,38.74 229.87,38.74 228.35,38.48 221.49,36.7 216.41,40.77 216.41,49.4 213.11,59.31 212.6,66.17 213.87,72.26 225.55,96.39 231.39,101.98
